# KiCad board output.Panel_R0.5.1_300x300_2layer_step1_Modified_1and5_only.kicad_pcb (continued)
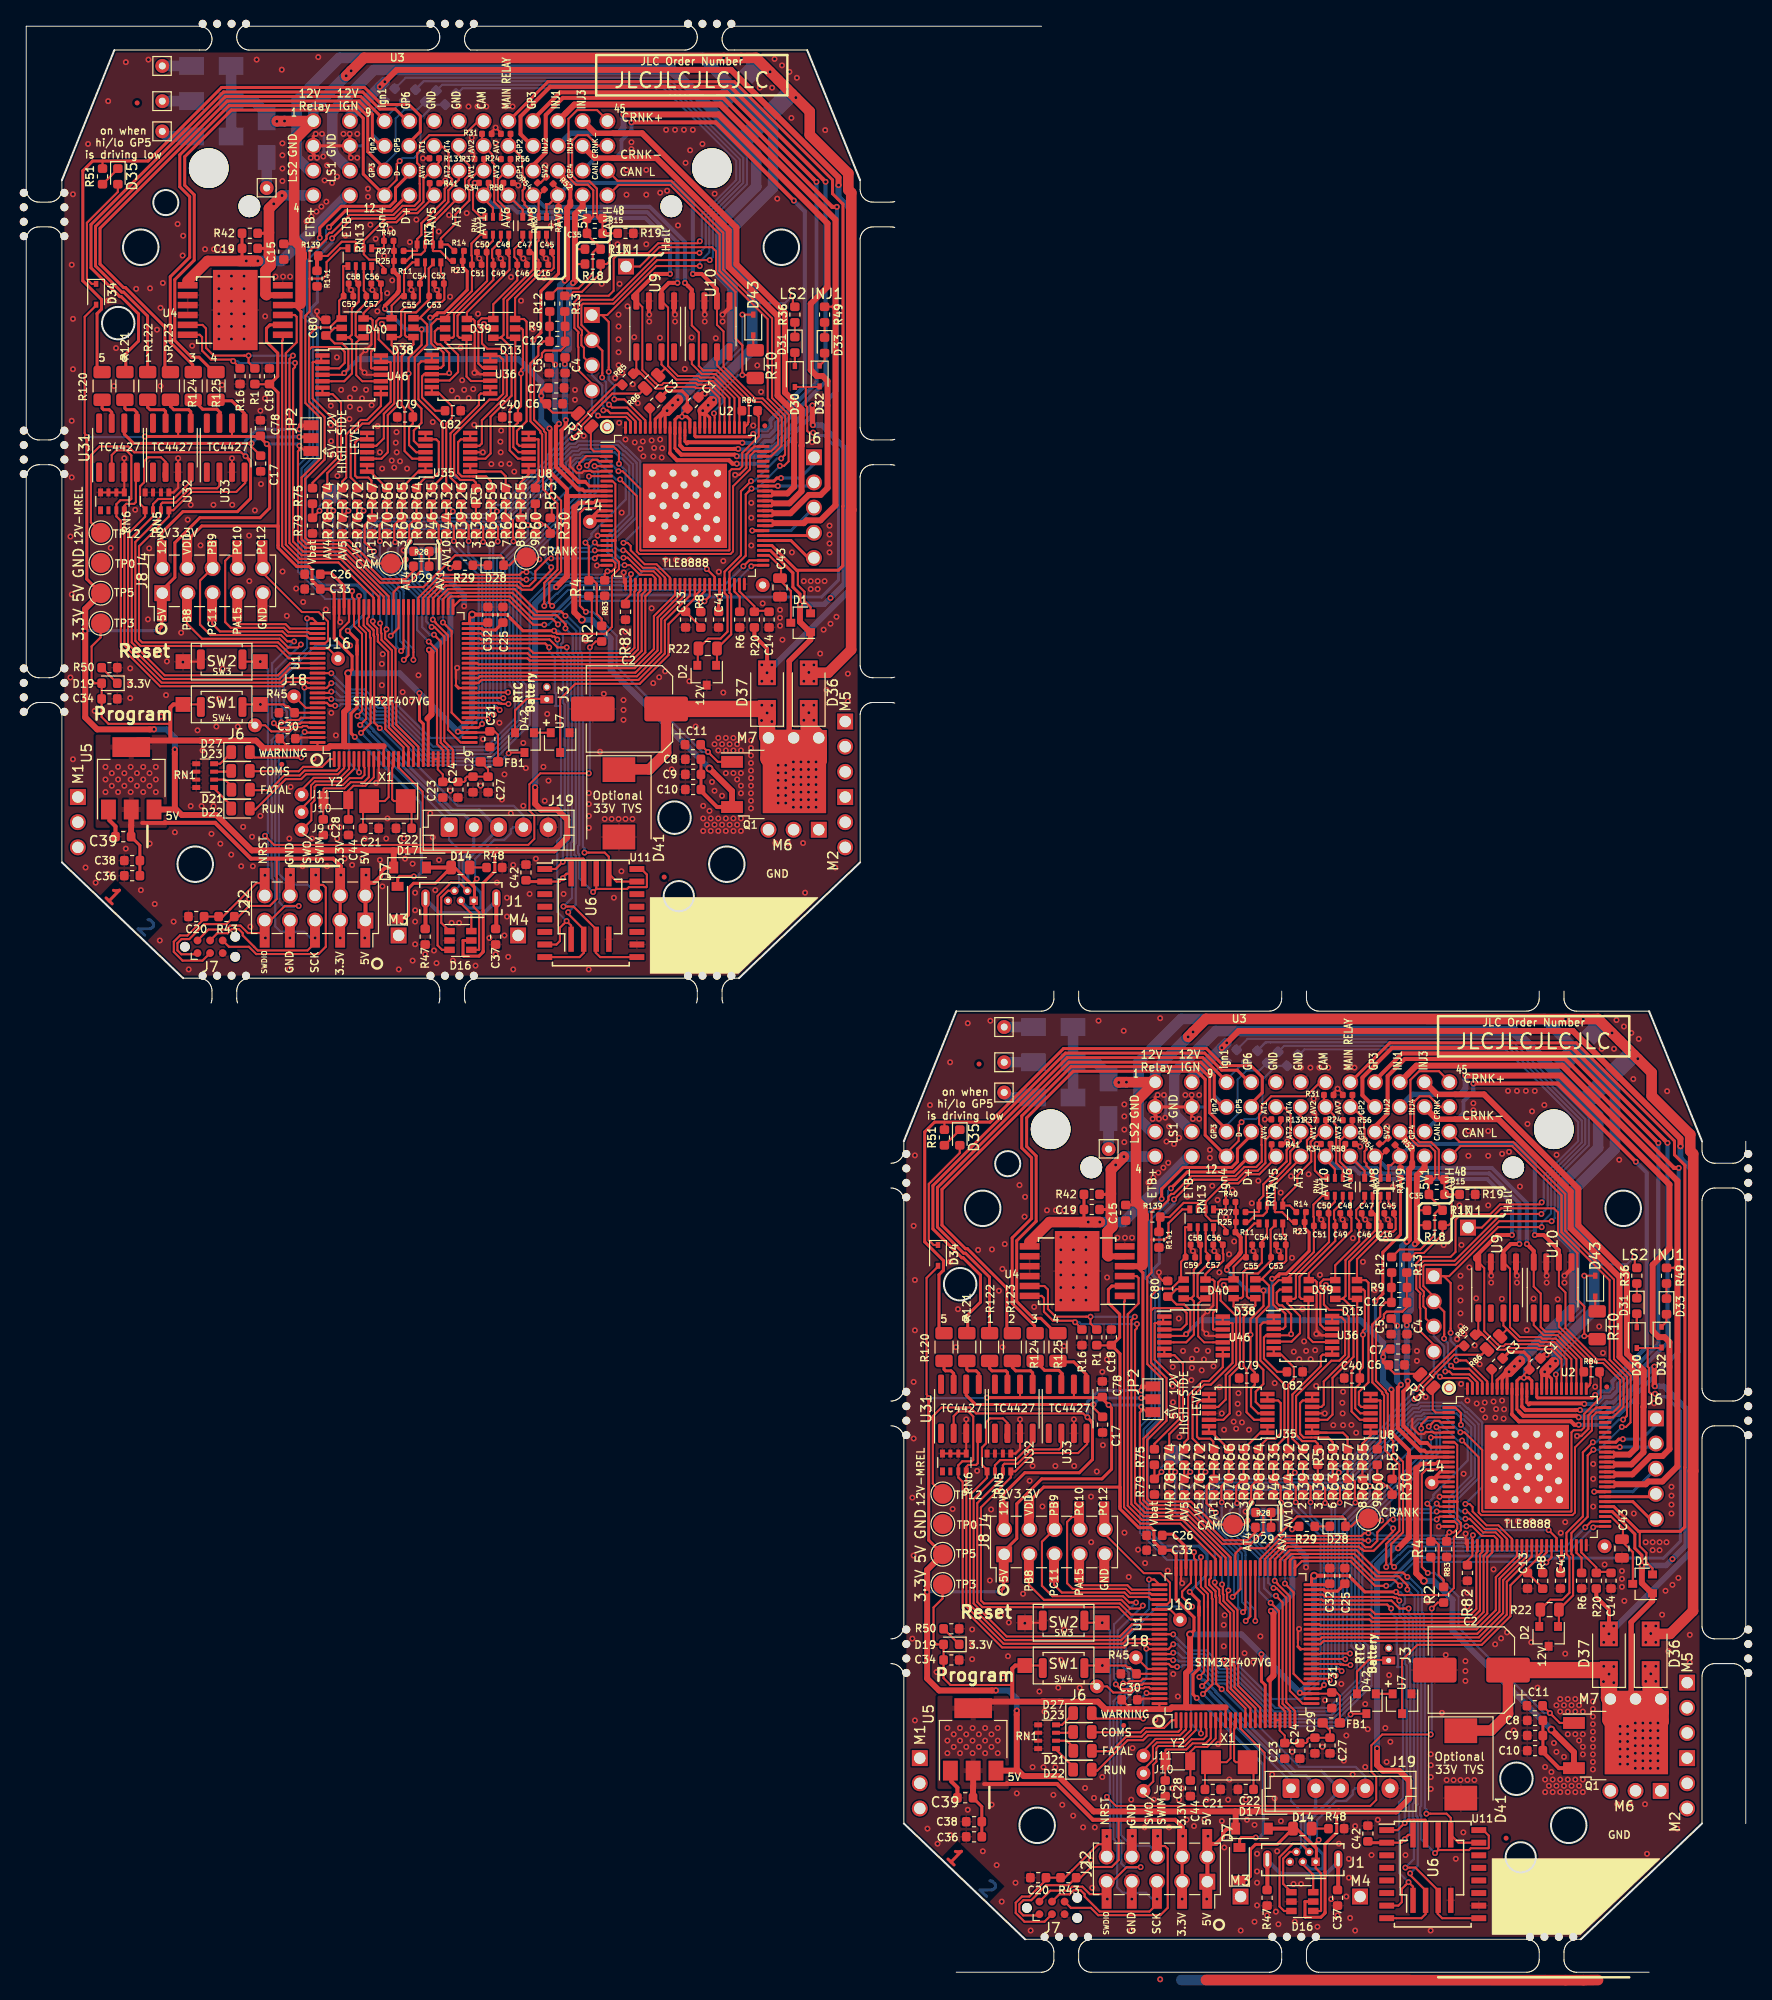
[diagram p0: board, top side]
## Routing (per net, layer and track width the routed paths; a pad name or vN(x,y) marks a point on that pad's centre or on a via; arc(x,y) is an arc through that point) (continued)
/AT1: length 29.9
  Top w0.203: 126.04,80.66 125.78,80.41 ; 40.78,177.41 41.04,177.67
  Top w0.216: 125.78,80.41 124.9,79.52 124.9,78.35 124.46,77.92 RN3#2.4 124.46,76.76 124.43,76.73 R27#2.1 ; 125.9,87.35 126.01,87.24 127.03,87.24 127.64,86.63 127.64,85.37 127.61,85.34 127.61,84.32 127.99,83.94 127.99,83.74 127.25,82.99 127.25,81.83 126.04,80.66 ; 41.04,177.67 42.25,178.83 42.25,179.99 42.99,180.74 42.99,180.94 42.61,181.32 42.61,182.34 42.64,182.37 42.64,183.63 42.03,184.24 41.01,184.24 40.9,184.35 ; 40.78,177.41 39.9,176.52 39.9,175.35 39.46,174.92 RN3.4 39.46,173.76 39.43,173.73 R27.1
/AT1_MCU: length 58.7
  Top w0.216: U1#2.23 127.09,26.33 126.47,26.94 126.47,36.45 v1(125.63,37.29) ; R67#2.1 R71#2.2 119.16,49.05 119.16,47.34 v1(120.1,46.4) ; v1(35.1,143.4) 34.16,144.34 34.16,146.05 R71.2 R67.1 ; U1.23 42.09,123.33 41.47,123.94 41.47,133.45 v1(40.63,134.29)
  Bottom w0.216: v1(120.1,46.4) 120.1,46.07 124.46,41.71 124.46,38.46 v1(125.63,37.29) ; v1(35.1,143.4) 35.1,143.07 39.46,138.71 39.46,135.46 v1(40.63,134.29)
/AT2: length 24.1
  Top w0.203: 126.66,80.65 126.8,80.79 ; 41.66,177.65 41.8,177.79
  Top w0.216: 126.8,80.79 127.59,81.65 127.61,81.68 127.61,82.84 128.68,83.91 128.68,84.83 ; R25#2.1 123.39,75.71 124.04,76.36 124.86,76.36 125.26,76.76 RN3#2.3 125.26,77.99 125.26,78 125.26,79.26 126.66,80.65 ; 41.8,177.79 42.59,178.65 42.61,178.68 42.61,179.84 43.68,180.91 43.68,181.83 ; R25.1 38.39,172.71 39.04,173.36 39.86,173.36 40.26,173.76 RN3.3 40.26,174.99 40.26,175 40.26,176.26 41.66,177.65
/AT2_MCU: length 58.4
  Top w0.216: U1#2.24 127.59,26.35 126.84,27.1 126.84,37.32 v1(126.17,37.99) ; v1(120.7,47.43) 120.66,47.47 120.66,49.05 R70#2.2 R66#2.1 ; v1(35.7,144.43) 35.66,144.47 35.66,146.05 R70.2 R66.1 ; v1(41.17,134.99) 41.84,134.32 41.84,124.1 42.59,123.35 U1.24
  Bottom w0.216: v1(120.7,47.43) 120.7,46 124.98,41.72 124.98,38.76 125.74,37.99 v1(126.17,37.99) ; v1(35.7,144.43) 35.7,143 39.98,138.72 39.98,135.76 40.74,134.99 v1(41.17,134.99)
/AT3: length 17.9
  Top w0.216: 128.44,82.27 128.44,81.94 127.31,80.79 127.31,80.78 126.06,79.53 RN3#2.2 126.06,76.76 126.1,76.71 126.8,76.71 127.8,75.71 R23#2.1 ; R23.1 42.8,172.71 41.8,173.71 41.1,173.71 41.06,173.76 RN3.2 41.06,176.53 42.31,177.78 42.31,177.79 43.44,178.94 43.44,179.27
/AT3_MCU: length 58.7
  Top w0.216: R65#2.1 R69#2.2 122.89,49.79 122.16,49.06 122.16,47.42 v1(122.25,47.33) ; U1#2.25 128.09,26.37 127.21,27.25 127.21,37.78 126.21,38.77 v1(125.92,38.77) ; R65.1 R69.2 37.89,146.79 37.16,146.06 37.16,144.42 v1(37.25,144.33) ; v1(40.92,135.77) 41.21,135.77 42.21,134.78 42.21,124.25 43.09,123.37 U1.25
  Bottom w0.216: v1(125.92,38.77) 125.39,39.31 125.39,41.82 121.5,45.71 121.5,46.58 v1(122.25,47.33) ; v1(37.25,144.33) 36.5,143.58 36.5,142.71 40.39,138.82 40.39,136.31 v1(40.92,135.77)
/AT4: length 27.4
  Top w0.216: 128.44,87.35 128.44,86.64 129.73,85.34 129.73,84.39 129.3,83.96 129.3,83.27 129.73,82.84 129.73,81.82 128.32,80.41 128.32,79.46 126.86,77.99 RN3#2.1 127.57,77.37 R14#2.1 ; R14.1 42.58,174.37 RN3.1 41.86,174.99 43.33,176.46 43.33,177.41 44.73,178.82 44.73,179.84 44.3,180.27 44.3,180.96 44.73,181.39 44.73,182.34 43.44,183.64 43.44,184.35
/AT4_MCU: length 57.7
  Top w0.216: U1#2.26 128.86,27.12 127.58,28.4 127.58,37.93 126.35,39.16 126.35,39.22 v1(126.05,39.52) ; v1(123.7,47.4) 123.7,47.6 123.78,47.68 123.66,47.8 123.66,49.05 R68#2.2 R64#2.1 ; v1(38.7,144.4) 38.7,144.6 38.78,144.68 38.66,144.8 38.66,146.05 R68.2 R64.1 ; v1(41.05,136.52) 41.35,136.22 41.35,136.16 42.58,134.93 42.58,125.4 43.86,124.12 U1.26
  Bottom w0.216: v1(123.7,47.4) 123.14,47.4 122.51,46.77 122.5,46.77 122.5,45.24 123.42,44.32 126.05,41.69 v1(126.05,39.52) ; v1(41.05,136.52) 41.05,138.69 37.5,142.24 37.5,143.77 37.51,143.77 38.14,144.4 v1(38.7,144.4)
/CAM_MCU: length 141
  Top w0.216: 113.55,66.75 113.55,68.25 114.3,69 115.64,69 116.55,69.91 D40#2.4 116.59,70.17 116.59,71.7 C59#2.1 117.04,72.48 117,72.52 117,75.18 117.01,75.19 RN13#2.5 ; 113.55,66.75 113.83,67.03 116.67,67.03 117.15,66.54 117.15,65.43 116.6,64.87 U46#2.3 ; 113.55,66.75 113.55,61.53 115.12,59.96 115.12,55.67 113.16,53.71 113.16,47.8 113.45,47.51 117.59,47.51 119.92,45.18 TP2#2.1 122.88,45.18 v1(123.3,45.6) ; U1#2.30 128.96,29.12 127.95,30.13 127.95,38.36 v1(127.07,39.23) ; 28.55,163.75 28.55,158.53 30.12,156.96 30.12,152.67 28.16,150.71 28.16,144.8 28.45,144.51 32.59,144.51 34.92,142.18 TP2.1 37.88,142.18 v1(38.3,142.6) ; 28.55,163.75 28.83,164.03 31.67,164.03 32.15,163.54 32.15,162.43 31.6,161.87 U46.3 ; 28.55,163.75 28.55,165.25 29.3,166 30.64,166 31.55,166.91 D40.4 31.59,167.17 31.59,168.7 C59.1 32.05,169.48 32,169.52 32,172.18 32.01,172.19 RN13.5 ; U1.30 43.96,126.12 42.95,127.13 42.95,135.36 v1(42.07,136.23)
  Bottom w0.216: v1(123.3,45.6) 123.3,45.18 127.07,41.4 v1(127.07,39.23) ; v1(42.07,136.23) 42.07,138.4 38.3,142.18 v1(38.3,142.6)
/CAM_SENSOR: length 154.3
  Top w0.216: R28#2.1 124.1,44.43 123.28,43.61 120.89,43.61 117.36,47.14 113.3,47.14 112.8,47.64 112.8,53.86 114.76,55.82 114.76,59.8 113.18,61.38 113.18,70.18 113.6,70.6 113.59,73.93 ; 131.18,89.83 130.63,89.83 129.21,88.41 125.7,88.41 124.73,87.45 124.73,86.82 124.46,86.55 124.46,85.61 124.73,85.34 124.73,84.32 124.72,84.31 124.72,83.51 124.73,83.49 124.73,81.82 124.18,81.27 122.98,81.27 122.06,80.36 117.64,80.36 115.84,78.55 115.61,78.55 115.32,78.27 115.32,77.95 114.43,77.06 113.93,77.06 113.6,76.74 113.6,75.77 113.6,75.76 113.59,73.93 ; 113.59,73.93 114.94,73.93 115.32,74.31 115.32,75.6 116.72,76.99 117.47,76.99 ; 28.59,170.93 28.6,167.6 28.18,167.18 28.18,158.38 29.76,156.8 29.76,152.82 27.8,150.86 27.8,144.64 28.3,144.14 32.36,144.14 35.89,140.61 38.28,140.61 39.1,141.43 R28.1 ; 28.59,170.93 28.6,172.76 28.6,172.77 28.6,173.67 28.6,173.74 28.93,174.06 29.43,174.06 30.32,174.95 30.32,175.27 30.61,175.55 30.84,175.55 32.64,177.36 37.06,177.36 37.98,178.27 39.18,178.27 39.73,178.82 39.73,180.49 39.72,180.51 39.72,181.31 39.73,181.32 39.73,182.34 39.46,182.61 39.46,183.55 39.73,183.82 39.73,184.45 40.7,185.41 44.21,185.41 45.63,186.83 46.18,186.83 ; 28.59,170.93 29.94,170.93 30.32,171.31 30.32,172.6 31.72,173.99 RN13.4
/CANH: length 130.2
  Top w0.203: 157.84,71.86 159.86,69.84 159.86,61.83 161.63,60.06 161.63,57.77 161.61,57.75 161.61,56.17 v1(161.22,55.78) ; 72.84,168.86 74.86,166.84 74.86,158.83 76.63,157.06 76.63,154.77 76.61,154.75 76.61,153.17 v1(76.22,152.78)
  Top w0.216: 157.84,71.86 155,74.7 155,78.4 150.02,83.38 144.8,83.38 143.68,82.27 ; 152.8,36.59 152.8,34.9 ; R22#2.1 153.86,37.6 155.1,37.6 155.8,38.3 155.8,41.9 155.5,42.2 U2#2.46 155.5,44.35 157.15,46 157.15,52.47 v1(158.17,53.49) ; 58.68,179.27 59.8,180.38 65.02,180.38 70,175.4 70,171.7 72.84,168.86 ; v1(73.17,150.49) 72.15,149.47 72.15,143 70.5,141.35 U2.46 70.5,139.2 70.8,138.9 70.8,135.3 70.1,134.6 68.86,134.6 R22.1 ; 67.8,133.59 67.8,131.9
  Bottom w0.203: v1(158.17,53.49) 158.51,53.49 160.8,55.78 v1(161.22,55.78) ; v1(76.22,152.78) 75.8,152.78 73.51,150.49 v1(73.17,150.49)
/CANL: length 128.9
  Top w0.203: v1(161.09,55.04) 161.51,55.04 161.97,55.49 161.97,57.6 161.98,57.62 161.98,60.2 160.3,61.89 160.3,69.91 158.01,72.21 ; v1(76.09,152.04) 76.51,152.04 76.97,152.49 76.97,154.6 76.98,154.62 76.98,157.2 75.3,158.89 75.3,166.91 73.01,169.21
  Top w0.216: 158.01,72.21 155.37,74.85 155.37,78.55 150.12,83.8 144.71,83.8 U3#2.47 ; v1(158.22,52.74) 157.64,52.16 157.64,45.97 156,44.33 U2#2.47 156,42.22 156.17,42.05 156.17,38.03 R22#2.2 154.74,34.99 D2#2.1 ; D2.1 69.74,131.99 R22.2 71.17,135.03 71.17,139.05 71,139.22 U2.47 71,141.33 72.64,142.97 72.64,149.16 v1(73.22,149.74) ; 73.01,169.21 70.37,171.85 70.37,175.55 65.12,180.8 59.71,180.8 U3.47
  Bottom w0.203: v1(158.22,52.74) 158.79,52.74 v1(161.09,55.04) ; v1(73.22,149.74) 73.79,149.74 v1(76.09,152.04)
/CRANK: length 53.7
  Top w0.203: U2#2.21 142.7,47 v1(142.4,47.3) ; U2.21 57.7,144 v1(57.4,144.3)
  Top w0.216: U1#2.63 122.09,42.29 122.6,42.8 125.1,42.8 128.3,46 132.9,46 133.19,45.71 D28#2.2 133.8,45 134.4,45.6 135.3,45.6 TP4#2.1 135.7,45.6 v1(136.8,45.6) ; v1(51.8,142.6) 50.7,142.6 TP4.1 50.3,142.6 49.4,142.6 48.8,142 D28.2 48.19,142.71 47.9,143 43.3,143 40.1,139.8 37.6,139.8 37.09,139.29 U1.63
  Bottom w0.216: v1(142.4,47.3) 141.83,46.73 137.5,46.73 136.8,46.02 v1(136.8,45.6) ; v1(57.4,144.3) 56.83,143.73 52.5,143.73 51.8,143.02 v1(51.8,142.6)
/CRNK+: length 58.1
  Top w0.203: 142.2,74.4 140.75,72.95 138.64,72.95 137.88,72.19 R12#2.1 ; 57.2,171.4 55.75,169.95 53.64,169.95 52.88,169.19 R12.1
  Top w0.216: 142.2,74.4 142.2,76.55 142.55,76.9 R17#2.2 142.99,77.01 141.61,78.39 C35#2.1 R15#2.1 142.05,80 142.25,80.2 142.25,82.85 141.7,83.4 140.51,83.4 139.75,84.17 139.75,90.06 140.62,90.94 142.63,90.94 143.68,89.89 ; 58.68,186.89 57.63,187.94 55.62,187.94 54.75,187.06 54.75,181.17 55.51,180.4 56.7,180.4 57.25,179.85 57.25,177.2 57.05,177 R15.1 C35.1 56.61,175.39 57.99,174.01 R17.2 57.55,173.9 57.2,173.55 57.2,171.4
/CRNK-: length 54.7
  Top w0.203: R19#2.2 C35#2.2 143.9,78.5 143.9,75.7 143.6,75.4 R18#2.2 142.99,74.49 141.09,72.59 140.25,72.59 139.85,72.19 R13#2.1 ; R19.2 C35.2 58.9,175.5 58.9,172.7 58.6,172.4 R18.2 57.99,171.49 56.09,169.59 55.25,169.59 54.85,169.19 R13.1
  Top w0.216: 143.68,87.35 142.73,87.35 141.66,88.41 140.68,88.41 140.11,87.84 140.11,84.32 140.67,83.77 141.85,83.77 142.61,83.01 142.61,80.14 142.75,80 R15#2.2 C35#2.2 ; 58.68,184.35 57.73,184.35 56.66,185.41 55.68,185.41 55.11,184.84 55.11,181.32 55.67,180.77 56.85,180.77 57.61,180.01 57.61,177.14 57.75,177 R15.2 C35.2
/CS_TLE: length 112.3
  Top w0.216: v1(140.84,54.89) 140.84,55.31 141.55,56.02 142.96,56.02 142.97,56 U2#2.3 ; v1(115.8,34.1) 115.78,34.12 U1#2.86 ; v1(30.8,131.1) 30.78,131.12 U1.86 ; v1(55.84,151.89) 55.84,152.31 56.55,153.02 57.96,153.02 57.97,153 U2.3
  Bottom w0.216: v1(115.8,34.1) 117.43,32.47 119.16,32.47 120.66,30.97 121.81,30.97 126.09,26.69 131.5,26.69 134.35,29.54 134.35,32.35 133.8,32.9 133.8,45.18 140.84,52.22 v1(140.84,54.89) ; v1(55.84,151.89) 55.84,149.22 48.8,142.18 48.8,129.9 49.35,129.35 49.35,126.54 46.5,123.69 41.09,123.69 36.81,127.97 35.66,127.97 34.16,129.47 32.43,129.47 v1(30.8,131.1)
/E-THROTTLE+: length 38.5
  Top w0.305: R42#2.2 109.45,78.51 109.5,78.56 ; 109.5,77.03 109.45,76.98 C19#2.2 108.41,77.03 ; R42.2 24.45,175.51 24.5,175.56 ; 23.41,174.03 C19.2 24.45,173.98 24.5,174.03
  Top w0.6: U4#2.5 109.25,72.26 ; U4.5 24.25,169.26
  Top w1.067: 109.25,72.26 109.15,72.36 109.15,74.74 109.66,75.25 109.66,76.12 ; v1(110.82,82.32) v1(109.99,81.48) 109.5,81 109.5,76.32 109.66,76.17 ; 24.25,169.26 24.15,169.36 24.15,171.74 24.66,172.25 24.66,173.12 ; 24.66,173.17 24.5,173.32 24.5,178 v1(24.99,178.48) v1(25.82,179.32)
  Bottom w1.067: 113.98,82.33 110.84,82.33 v1(110.82,82.32) v1(109.99,81.48) ; v1(24.99,178.48) v1(25.82,179.32) 25.84,179.33 28.98,179.33
/E-THROTTLE-: length 55.4
  Top w0.216: 105.58,75.78 105.58,75.65 ; 20.58,172.78 20.58,172.65
  Top w0.305: 101.27,73.68 101.3,73.65 U4#2.7 ; v1(107.22,75.71) 106.79,76.14 R42#2.1 ; 16.27,170.68 16.3,170.65 U4.7 ; v1(22.22,172.71) 21.79,173.14 R42.1
  Top w1.067: 101.27,73.68 103.31,75.71 v1(108.39,75.71) 106.46,75.71 ; 16.27,170.68 18.31,172.71 v1(23.39,172.71) 21.46,172.71
  Bottom w1.067: v1(108.39,75.71) v1(107.22,75.71) 110.77,75.71 117.32,82.27 117.62,82.27 ; 32.62,179.27 32.32,179.27 25.77,172.71 v1(22.22,172.71) v1(23.39,172.71)
/FlashMemory/CS: length 86.5
  Top w0.216: U1#2.46 137.4,37.12 v1(137.8,36.71) ; U11#2.7 138.53,6.72 138.88,7.08 138.88,8.42 v1(139.55,9.09) 140.01,8.64 U6#2.1 ; U11.7 53.53,103.72 53.88,104.08 53.88,105.42 v1(54.55,106.09) 55.01,105.64 U6.1 ; U1.46 52.4,134.12 v1(52.8,133.71)
  Bottom w0.216: v1(137.8,36.71) 137.8,36.29 138.36,35.73 138.36,32.13 138.42,32.13 138.47,32.07 138.47,30.86 138.42,30.8 138.99,30.8 138.99,17.55 138.61,17.16 138.61,10.03 v1(139.55,9.09) ; v1(52.8,133.71) 52.8,133.29 53.36,132.73 53.36,129.13 53.42,129.13 53.47,129.07 53.47,127.86 53.42,127.8 53.99,127.8 53.99,114.55 53.61,114.17 53.61,107.03 v1(54.55,106.09)
/FlashMemory/HOLD: length 75.6
  Top w0.216: U11#2.1 138.45,14.34 v1(139.17,15.07) 139.5,15.39 141.23,15.39 141.28,15.35 U6#2.7 ; v1(138.63,37.51) 138.33,37.81 138.11,37.81 138.04,37.88 131.14,37.88 130.9,38.12 U1#2.48 ; U11.1 53.45,111.34 v1(54.17,112.07) 54.5,112.39 56.23,112.39 56.28,112.35 U6.7 ; v1(53.63,134.51) 53.33,134.81 53.11,134.81 53.04,134.88 46.14,134.88 45.9,135.12 U1.48
  Bottom w0.216: v1(138.63,37.51) 138.63,36.02 139.17,35.48 139.17,31.15 139.36,30.96 139.36,17.39 139.17,17.2 v1(139.17,15.07) ; v1(53.63,134.51) 53.63,133.02 54.17,132.48 54.17,128.15 54.36,127.96 54.36,114.39 54.17,114.2 v1(54.17,112.07)
/GP1: length 165.1
  Top w0.305: 149.98,56.32 150,56.33 U2#2.91 ; 64.98,153.32 65,153.33 U2.91
  Top w0.406: 136.06,84.81 136.06,85.26 137.45,86.65 137.45,90.44 139.18,92.17 155.36,92.17 166.36,81.17 v1(166.84,81.17) ; 149.98,56.32 150.7,55.6 155.96,55.6 156.31,55.25 v1(156.73,55.25) ; v1(81.84,178.17) 81.36,178.17 70.36,189.17 54.18,189.17 52.45,187.44 52.45,183.65 51.06,182.26 51.06,181.81 ; v1(71.73,152.25) 71.31,152.25 70.96,152.6 65.7,152.6 64.98,153.32
  Bottom w0.406: v1(166.84,81.17) 166.84,62.64 162.52,58.32 162.52,58.01 160.76,56.25 160.45,56.25 159.45,55.25 v1(156.73,55.25) ; v1(81.84,178.17) 81.84,159.64 77.52,155.32 77.52,155.01 75.76,153.25 75.45,153.25 74.45,152.25 v1(71.73,152.25)
/GP2: length 158.9
  Top w0.305: U2#2.89 151,57.1 ; U2.89 66,154.1
  Top w0.406: 136.06,87.35 134.9,88.51 134.9,90.3 137.89,93.29 156.11,93.29 v1(165.7,83.7) ; 151,57.1 151.37,56.73 156.44,56.73 156.45,56.74 v1(156.87,56.74) ; v1(80.7,180.7) 71.11,190.29 52.89,190.29 49.9,187.3 49.9,185.51 51.06,184.35 ; v1(71.87,153.74) 71.45,153.74 71.44,153.73 66.37,153.73 66,154.1
  Bottom w0.406: v1(156.87,56.74) 156.92,56.69 158.75,56.69 159.57,57.51 160.24,57.51 161.26,58.53 161.26,59.09 165.7,63.53 v1(165.7,83.7) ; v1(71.87,153.74) 71.92,153.69 73.75,153.69 74.57,154.51 75.24,154.51 76.26,155.53 76.26,156.09 80.7,160.53 v1(80.7,180.7)
/GP3: length 142.7
  Top w0.305: 151.7,57.3 151.5,57.5 151.5,58.66 ; 66.7,154.3 66.5,154.5 66.5,155.66
  Top w0.406: 136.06,89.89 138.91,92.73 155.74,92.73 v1(164.78,83.69) ; 151.7,57.3 151.81,57.41 157.25,57.41 v1(157.3,57.36) ; v1(79.78,180.69) 70.74,189.73 53.91,189.73 51.06,186.89 ; v1(72.3,154.36) 72.25,154.41 66.81,154.41 66.7,154.3
  Bottom w0.406: v1(157.3,57.36) 158.53,57.36 159.23,58.07 160.01,58.07 160.7,58.76 160.7,59.35 164.78,63.42 v1(164.78,83.69) ; v1(72.3,154.36) 73.53,154.36 74.23,155.07 75.01,155.07 75.7,155.76 75.7,156.35 79.78,160.42 v1(79.78,180.69)
/GP4: length 122.9
  Top w0.305: U2#2.86 152.5,58.05 152.58,57.97 158.09,57.97 v1(158.4,58.27) ; v1(73.4,155.27) 73.09,154.97 67.58,154.97 67.5,155.05 U2.86
  Top w0.406: v1(162.5,81.8) 154.6,89.7 v1(146.1,89.7) ; v1(77.5,178.8) 69.6,186.7 v1(61.1,186.7)
  Bottom w0.406: v1(162.5,81.8) 163.6,80.7 163.6,63.12 160.14,59.67 160.14,58.99 159.78,58.63 158.87,58.63 158.51,58.27 v1(158.4,58.27) ; v1(146.1,89.7) 146.1,88.9 145.1,87.9 145.1,86.7 144.5,86.1 142.44,86.1 U3#2.43 ; U3.43 57.44,183.1 59.5,183.1 60.1,183.7 60.1,184.9 61.1,185.9 v1(61.1,186.7) ; v1(73.4,155.27) 73.51,155.27 73.87,155.63 74.78,155.63 75.14,155.99 75.14,156.67 78.6,160.12 78.6,177.7 v1(77.5,178.8)
/GP5: length 128.9
  Top w0.216: R51#2.2 92.7,85.85 ; R51.2 7.7,182.85
  Top w0.305: 123.36,87.35 124.79,88.77 124.79,90.35 123.64,91.5 120.88,91.5 119.16,93.22 104.72,93.22 97.3,85.8 91.7,85.8 90.71,84.81 90.71,73.71 92.6,71.82 92.6,70.85 92.15,70.4 92.15,64.55 92.1,64.5 ; 7.1,161.5 7.15,161.55 7.15,167.4 7.6,167.85 7.6,168.82 5.71,170.71 5.71,181.81 6.7,182.8 12.3,182.8 19.72,190.22 34.16,190.22 35.88,188.5 38.64,188.5 39.79,187.35 39.79,185.77 38.36,184.35
/GP6: length 113.3
  Top w0.305: 94.4,64.5 R121#2.1 95.05,64.59 95.05,66.35 96.34,67.64 96.34,70.36 94.59,72.11 94.45,72.11 91.54,75.02 91.54,79.39 104.91,92.77 118.97,92.77 120.69,91.04 122.27,91.04 123.37,89.94 ; 9.4,161.5 R121.1 10.05,161.59 10.05,163.35 11.34,164.64 11.34,167.36 9.59,169.11 9.45,169.11 6.54,172.02 6.54,176.39 19.91,189.77 33.97,189.77 35.69,188.04 37.27,188.04 38.37,186.94
/H-BRIDGE/DIR: length 67.4
  Top w0.216: U1#2.67 120.09,41.71 116.52,45.28 112.49,45.28 110.84,46.93 110.84,67.66 110.9,67.72 U4#2.1 ; 110.69,68.07 110.67,68.09 ; U4.1 25.9,164.72 25.84,164.66 25.84,143.93 27.49,142.28 31.52,142.28 35.09,138.71 U1.67 ; 25.69,165.07 25.67,165.09
/H-BRIDGE/DIS: length 93
  Top w0.216: U1#2.65 121.09,41.85 116.92,46.02 112.79,46.02 111.57,47.24 111.57,65.81 v1(111.92,66.16) ; 108.08,64.84 107.45,65.48 v1(107.45,66.16) 107.02,66.16 107.02,66.16 103.93,66.16 103.15,66.94 103.15,68.9 102.79,69.26 U4#2.11 ; U1.65 36.09,138.85 31.92,143.02 27.79,143.02 26.57,144.24 26.57,162.81 v1(26.92,163.16) ; U4.11 17.79,166.26 18.15,165.9 18.15,163.94 18.93,163.16 22.02,163.16 22.02,163.16 v1(22.45,163.16) 22.45,162.48 23.08,161.84
  Bottom w0.216: v1(111.92,66.16) v1(107.45,66.16) ; v1(26.92,163.16) v1(22.45,163.16)
/hi-lo/GP5_MCU: length 93.1
  Top w0.216: U1#2.88 113.46,33.12 113.35,33.22 111.3,33.22 110.86,32.79 98.52,32.79 94.54,36.76 94.54,49.49 94.1,49.93 RN6#2.7 94.1,51.17 94.5,51.57 95.47,51.57 95.61,51.71 95.61,56.09 95.1,56.6 94.1,56.6 93.63,56.13 U31#2.2 ; U31.2 8.63,153.13 9.1,153.6 10.1,153.6 10.61,153.09 10.61,148.71 10.47,148.57 9.5,148.57 9.1,148.17 RN6.7 9.1,146.93 9.54,146.49 9.54,133.76 13.52,129.79 25.86,129.79 26.3,130.22 28.35,130.22 28.46,130.12 U1.88
/hi-lo/GP6_MCU: length 79.4
  Top w0.216: U1#2.87 111.17,33.62 110.71,33.15 98.67,33.15 94.91,36.91 94.91,49.92 94.9,49.93 RN6#2.8 94.9,51 95.1,51.2 95.9,51.2 96.07,51.37 96.07,53.5 96.17,53.6 U31#2.4 ; U31.4 11.17,150.6 11.07,150.5 11.07,148.37 10.9,148.2 10.1,148.2 9.9,148 RN6.8 9.9,146.93 9.91,146.92 9.91,133.91 13.67,130.15 25.71,130.15 26.17,130.62 U1.87
/hi-lo/Ign1_MCU: length 89.1
  Top w0.216: 98.87,54.33 98.87,53.9 ; U32#2.2 99.06,55.44 98.6,55.9 97.3,55.9 96.9,55.5 96.9,53.37 96.49,52.96 96.49,51.21 97,50.7 RN5#2.5 97,49.9 95.28,48.18 95.28,37.07 98.82,33.52 110.56,33.52 111.65,34.62 U1#2.85 ; U32.2 14.06,152.44 13.6,152.9 12.3,152.9 11.9,152.5 11.9,150.37 11.49,149.96 11.49,148.21 12,147.7 RN5.5 12,146.9 10.28,145.18 10.28,134.07 13.82,130.52 25.56,130.52 26.65,131.62 U1.85 ; 13.87,151.32 13.87,150.9
/hi-lo/Ign2_MCU: length 82.4
  Top w0.216: U32#2.4 101.6,53.44 99.86,51.69 98.32,51.69 97.8,51.17 RN5#2.6 97.8,49.93 95.65,47.78 95.65,37.22 98.97,33.89 110.4,33.89 111.63,35.12 U1#2.84 ; U32.4 16.6,150.44 14.86,148.69 13.32,148.69 12.8,148.17 RN5.6 12.8,146.93 10.65,144.78 10.65,134.22 13.97,130.89 25.4,130.89 26.63,132.12 U1.84
/hi-lo/Ign3_MCU: length 85.5
  Top w0.216: U33#2.2 104.5,53 104.27,52.77 101.54,52.77 100.09,51.32 98.76,51.32 98.6,51.17 RN5#2.7 98.6,49.93 96.02,47.35 96.02,37.37 96.54,36.85 110.27,36.85 111.5,35.62 U1#2.83 ; 104.56,54.61 104.56,53.9 ; 19.56,151.61 19.56,150.9 ; U33.2 19.5,150 19.27,149.77 16.54,149.77 15.09,148.32 13.76,148.32 13.6,148.17 RN5.7 13.6,146.93 11.02,144.35 11.02,134.37 11.54,133.85 25.27,133.85 26.5,132.62 U1.83
/hi-lo/Ign4_MCU: length 84.7
  Top w0.216: 107.1,53.9 107.1,53.31 106.2,52.4 101.69,52.4 99.84,50.55 RN5#2.8 99.4,49.93 96.38,46.92 96.38,37.52 96.69,37.22 110.42,37.22 111.52,36.12 U1#2.82 ; 22.1,150.9 22.1,150.31 21.2,149.4 16.69,149.4 14.84,147.55 RN5.8 14.4,146.93 11.38,143.92 11.38,134.52 11.69,134.22 25.42,134.22 26.52,133.12 U1.82
/Ign1: length 112.3
  Top w0.305: 96.7,64.5 97.25,64.5 97.25,70.15 94.83,72.57 94.64,72.57 91.99,75.21 91.99,79.2 105.1,92.31 118.78,92.31 120.83,90.25 120.83,89.94 ; 35.83,186.94 35.83,187.25 33.78,189.31 20.1,189.31 6.99,176.2 6.99,172.21 9.64,169.57 9.83,169.57 12.25,167.15 12.25,161.5 11.7,161.5
  Bottom w0.203: R21#2.1 123.1,91.8 122.9,91.8 121.17,90.07 U3#2.9 121.17,89.97 ; 36.17,186.97 U3.9 36.17,187.07 37.9,188.8 38.1,188.8 R21.1
/Ign2: length 121.1
  Top w0.305: 99,64.5 99,69.05 95.02,73.03 94.82,73.03 92.45,75.4 92.45,79.01 105.29,91.85 118.59,91.85 119.94,90.5 119.94,88.16 120.83,87.27 ; 35.83,184.27 34.94,185.16 34.94,187.5 33.59,188.85 20.29,188.85 7.45,176.01 7.45,172.4 9.83,170.03 10.02,170.03 14,166.05 14,161.5
  Bottom w0.203: R33.1 34.9,187.8 34.9,185.61 U3.10 ; 121.59,91.99 121.6,92 121.05,92 ; R33#2.1 119.9,90.8 119.9,88.61 U3#2.10 ; 36.05,189 36.6,189 36.59,188.99
/Ign3: length 122.4
  Top w0.305: 120.83,84.86 120.83,85.38 119.48,86.73 119.48,90.31 118.4,91.39 105.48,91.39 100.5,86.41 100.5,83.2 101.5,82.2 101.5,76.08 99.54,74.12 99.54,67.5 101.8,65.24 101.8,65 101.3,64.5 ; 35.83,181.86 35.83,182.38 34.48,183.73 34.48,187.31 33.4,188.39 20.48,188.39 15.5,183.41 15.5,180.2 16.5,179.2 16.5,173.08 14.54,171.12 14.54,164.5 16.8,162.24 16.8,162 16.3,161.5
  Bottom w0.203: R80#2.1 124.5,91 123.2,91 122.3,90.1 122.3,86.6 121.17,85.47 U3#2.11 ; R80.1 39.5,188 38.2,188 37.3,187.1 37.3,183.6 36.17,182.47 U3.11
/Ign4: length 135.6
  Top w0.203: v1(122.7,85.8) 122.4,85.5 122.4,83.9 121.17,82.67 U3#2.12 ; U3.12 36.17,179.67 37.4,180.9 37.4,182.5 v1(37.7,182.8)
  Top w0.305: 103.6,64.5 R125#2.1 103.93,64.5 102.43,66 101.69,66 100,67.69 100,73.83 101.96,75.79 101.96,82.39 101,83.35 101,86.23 105.7,90.94 118.2,90.94 119.02,90.12 119.02,84.49 121.18,82.33 ; 18.6,161.5 R125.1 18.93,161.5 17.43,163 16.69,163 15,164.69 15,170.83 16.96,172.79 16.96,179.39 16,180.35 16,183.23 20.7,187.94 33.2,187.94 34.02,187.12 34.02,181.49 36.18,179.33
  Bottom w0.203: R81#2.1 126.19,91.49 124.8,90.1 124.8,86.75 124.15,86.1 123,86.1 v1(122.7,85.8) ; R81.1 41.19,188.49 39.8,187.1 39.8,183.75 39.15,183.1 38,183.1 v1(37.7,182.8)
/INJECTOR-1: length 145.6
  Top w0.203: 166.6,71.1 165.61,71.1 R49#2.2 ; 81.6,168.1 80.61,168.1 R49.2
  Top w0.305: U2#2.59 160.3,49 160.55,49.25 160.3,49.5 U2#2.60 ; U2.60 75.3,146.5 75.55,146.25 75.3,146 U2.59
  Top w0.6: 138.6,89.89 138.66,89.83 U3#2.37 140.34,91.5 155.07,91.5 166.7,79.87 166.7,71.2 ; 166.6,71.1 166.7,71 166.7,51.05 165.18,49.53 163.78,49.53 163.5,49.25 160.55,49.25 ; 81.6,168.1 81.7,168 81.7,148.05 80.18,146.53 78.78,146.53 78.5,146.25 75.55,146.25 ; 53.6,186.89 53.66,186.83 U3.37 55.34,188.5 70.07,188.5 81.7,176.87 81.7,168.2
/INJECTOR-2: length 142.8
  Top w0.305: U2#2.62 159.4,50.5 160.29,50.5 160.54,50.25 160.29,50 U2#2.61 ; U2.62 74.4,147.5 75.29,147.5 75.54,147.25 75.29,147 U2.61
  Top w0.6: 165.9,61.11 165.9,52.8 165.2,52.1 164,52.1 162.15,50.25 160.54,50.25 ; v1(145.3,90.5) 154.9,90.5 165.9,79.5 165.9,73.1 164.2,71.4 164.2,64.71 164.81,64.1 165.4,64.1 165.9,63.6 165.9,61.11 ; v1(60.3,187.5) 69.9,187.5 80.9,176.5 80.9,170.1 79.2,168.4 79.2,161.71 79.81,161.1 80.4,161.1 80.9,160.6 80.9,158.11 ; 80.9,158.11 80.9,149.8 80.2,149.1 79,149.1 77.15,147.25 75.54,147.25
  Bottom w0.55: 145.25,89.1 144.75,88.6 139.95,88.6 138.68,87.33 ; 53.68,184.33 54.95,185.6 59.75,185.6 60.25,186.1
  Bottom w0.6: 145.13,88.98 145.3,89.15 v1(145.3,90.5) ; v1(60.3,187.5) 60.3,186.15 60.13,185.98
/INJECTOR-3: length 110.1
  Top w0.305: U2#2.64 160.25,51.5 160.5,51.25 160.25,51 U2#2.63 ; U2.64 75.25,148.5 75.5,148.25 75.25,148 U2.63
  Top w0.55: 142.43,88.6 144.28,88.6 ; 57.43,185.6 59.28,185.6
  Top w0.6: 144.28,88.6 147.18,88.6 156.7,79.08 156.7,75.38 161.61,70.47 161.61,62.43 163.29,60.74 163.29,57.08 163.27,57.06 163.27,52.47 162.05,51.25 160.5,51.25 ; 141.14,89.89 142.43,88.6 ; 59.28,185.6 62.18,185.6 71.7,176.08 71.7,172.38 76.61,167.47 76.61,159.43 78.29,157.74 78.29,154.08 78.27,154.06 78.27,149.47 77.05,148.25 75.5,148.25 ; 56.14,186.89 57.43,185.6
/INJECTOR-4: length 103.3
  Top w0.305: U2#2.65 160.25,52 160.5,52.25 160.25,52.5 U2#2.66 ; U2.65 75.25,149 75.5,149.25 75.25,149.5 U2.66
  Top w0.55: 142.39,86.1 144.25,86.1 ; 57.39,183.1 59.25,183.1
  Top w0.6: 141.14,87.35 142.39,86.1 ; 144.25,86.1 148.62,86.1 155.93,78.78 155.93,75.08 160.85,70.16 160.85,62.12 162.54,60.43 162.54,57.39 162.52,57.37 162.52,52.92 161.85,52.25 160.5,52.25 ; 56.14,184.35 57.39,183.1 ; 75.5,149.25 76.85,149.25 77.52,149.92 77.52,154.37 77.54,154.39 77.54,157.43 75.85,159.12 75.85,167.16 70.93,172.08 70.93,175.78 63.62,183.1 59.25,183.1
/LINBUS: length 63.7
  Top w0.203: U2#2.82 154.5,60.26 v1(154.43,60.33) ; R10#2.2 158.3,64.2 v1(157.3,64.2) ; U3#2.LIN1 146.96,75.15 148.9,77.1 154.24,77.1 154.64,76.7 154.64,74.55 156.6,72.59 156.6,72.58 ; U2.82 69.5,157.26 v1(69.43,157.33) ; 71.6,169.58 71.6,169.59 69.64,171.55 69.64,173.7 69.24,174.1 63.9,174.1 61.96,172.15 U3.LIN1 ; R10.2 73.3,161.2 v1(72.3,161.2)
  Top w0.216: v1(157.3,64.2) 157.3,67.2 156.6,67.9 156.6,72.58 ; v1(72.3,161.2) 72.3,164.2 71.6,164.9 71.6,169.58
  Bottom w0.203: v1(154.43,60.33) 154.43,60.53 155.3,61.4 155.3,62.6 156.9,64.2 v1(157.3,64.2) ; v1(69.43,157.33) 69.43,157.53 70.3,158.4 70.3,159.6 71.9,161.2 v1(72.3,161.2)
/LS1: length 188.5
  Top w0.305: v1(149.7,60.6) 149,59.9 U2#2.93 ; v1(149.7,60.6) 149.5,60.4 U2#2.92 ; v1(149.7,60.6) 149.35,60.6 148.5,59.75 U2#2.94 ; v1(64.7,157.6) 64.5,157.4 U2.92 ; v1(64.7,157.6) 64.35,157.6 63.5,156.75 U2.94 ; v1(64.7,157.6) 64,156.9 U2.93